# Altium PCB VCU.PcbDoc (part 2 of 2)
Units mm, origin at the board's own origin, x right, y up, seen from the top; angles counter-clockwise.
Board outline 152.4 x 101.6 mm, 4 copper layers (Top Layer, Layer 1, Layer 2, Bottom Layer), stack 0.603 mm thick; 101 components, 108 nets, 442 pads, 150 vias.
Unrouted connection lines stored in the file: 1.
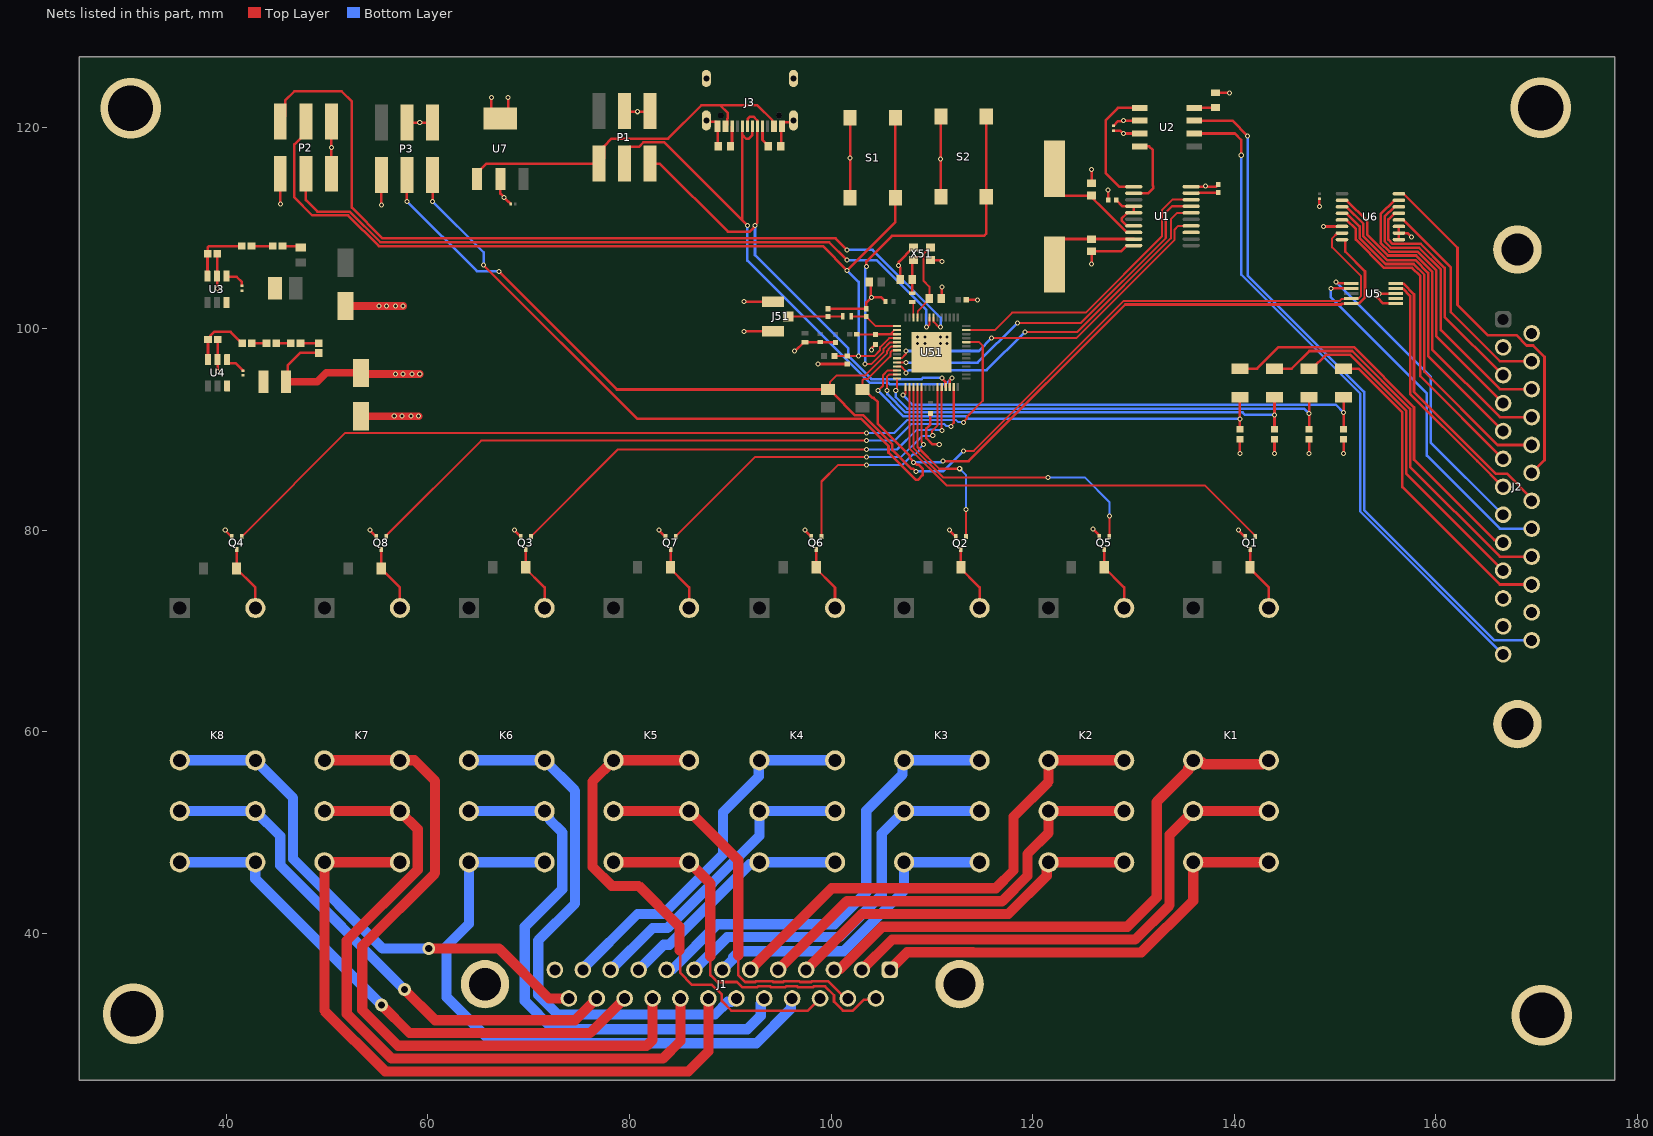
[diagram p4: the nets of this part, all layers, seen from the top]

## Via types
v1: diameter 0.5, hole 0.3, Top Layer to Bottom Layer, 143 vias
v2: diameter 6, hole 4.5, Top Layer to Bottom Layer, 4 vias
v3: diameter 1.27, hole 0.711, Top Layer to Bottom Layer, 3 vias

## Nets (pads, with @x,y where several pads share a name; then routed paths per layer and width w, separated by ;. In a path a pad name is that pad's centre, name@x,y a point inside that pad or via, vN(x,y) a via of type N, cw(c..) or ccw(c..) an arc to the next point about the centre after c; other vN are vias at no path point) (continued)
+5: C3.1 C7.2 J2.14 L1.2 P2.1 P3.1 R1.2 R2.1 R11.1 U1.20 U2.3 U6.1 U6.2 U6.3 | length 34.2
  Top Layer w0.254: v1(45.339,112.395) P2.1@45.339,115.378 ; L1.2@45.888,94.742 46.101,94.955 46.101,96.393 47.308,97.6 R11.1@49.149,97.6 ; C7.2@53.34,95.622 C7.2@53.458,95.504 ; v1(55.372,112.268) P3.1@55.372,115.251 ; R2.1@127.508,112.776 v1(127.508,113.792) ; C3.1@128.016,119.667 128.678,119.667 128.965,119.38 v1(129.032,119.38) U2.3@130.65,119.38 ; U1.20@135.748,114.106 138.213,114.106 138.428,114.321 R1.2@138.43,114.321 ; U6.1@156.368,108.85 U6.2@156.368,109.5 ; U6.3@156.368,110.15 U6.2@156.368,109.5 ; v1(157.607,109.093) 157.218,109.482 156.386,109.482 U6.2@156.368,109.5
  Top Layer w0.762: L1.2@45.888,94.742 49.022,94.742 49.902,95.622 C7.2@53.34,95.622 ; C7.2@53.458,95.504 v1(56.769,95.504) v1(57.531,95.504) v1(59.182,95.504)
  other v1: 58.42,95.504 137.16,114.173
Boot: S2.3 S2.4 U51.5 | length 39.1
  Top Layer w0.203: v1(103.378,96.52) 104.039,96.52 105.218,97.699 105.218,97.936 105.228,97.946 105.228,98.018 105.856,98.646 106.52,98.646 U51.5@106.537,98.663
  Top Layer w0.254: v1(103.505,106.172) 103.505,106.68 106.045,109.22 115.189,109.22 115.407,109.438 S2.3@115.407,113.119 S2.4@115.407,121.069
  Bottom Layer w0.254: v1(103.378,96.52) 103.378,105.978 103.505,106.105 v1(103.505,106.172)
CAN_RX: U1.2 U2.4 | length 7.4
  Top Layer w0.254: U1.2@130.048,113.456 131.49,113.456 131.975,113.941 131.975,114.151 131.953,114.173 131.953,117.729 131.572,118.11 U2.4@130.65,118.11
CAN_TX: U1.1 U2.1 | length 12.5
  Top Layer w0.254: U1.1@130.048,114.106 128.591,114.106 127.254,115.443 127.254,120.691 128.483,121.92 U2.1@130.65,121.92
D+: J3.A6 J3.B6 P1.3 U51.26 | length 58.8
  Top Layer w0.254: P1.3@79.502,116.394 79.502,117.539 80.01,118.047 80.921,118.047 81.365,118.491 83.47,118.491 91.198,110.763 ; J3.B6@91.198,120.091 91.198,119.241 ; v1(91.694,110.267) 91.198,110.763 ; J3.A6@92.198,120.091 92.198,119.249 91.799,118.85 91.589,118.85 91.198,119.241 ; U51.26@111.782,94.218 111.782,94.891 v1(112.014,95.123) ; 91.198,110.763 91.198,119.241
  Bottom Layer w0.254: v1(91.694,110.267) 91.694,106.773 103.848,94.619 105.694,94.619 105.817,94.496 111.387,94.496 v1(112.014,95.123)
D-: J3.A7 J3.B7 P1.5 U51.25 | length 54.2
  Top Layer w0.254: P1.5@82.042,116.394 82.996,116.394 89.754,109.636 91.955,109.636 92.325,110.005 92.325,110.038 92.456,110.169 v1(92.456,110.236) 92.456,110.303 92.698,110.545 J3.B7@92.698,120.091 92.675,120.114 92.675,120.693 92.306,121.062 91.979,121.062 91.721,120.804 91.721,120.114 J3.A7@91.698,120.091 ; v1(110.998,95.127) 111.045,95.08 111.045,95.013 111.365,94.693 111.365,94.235 U51.25@111.382,94.218
  Bottom Layer w0.254: v1(92.456,110.236) 92.456,107.315 101.727,98.044 101.727,97.279 104.006,95 108.993,95 109.12,95.127 v1(110.998,95.127)
EN: C554.1 P2.4 R51.1 S1.3 S1.4 U51.4 | length 99.1
  Top Layer w0.203: R51.1@100.356,97.291 C554.1@101.591,97.291 ; C554.1@101.6,97.301 101.619,97.282 v1(102.743,97.282) 104.298,97.282 104.862,97.846 104.862,98.083 104.873,98.094 104.873,98.165 105.77,99.063 U51.4@106.537,99.063
  Top Layer w0.254: P2.4@47.879,120.588 47.879,119.443 46.736,118.3 46.736,113.03 48.514,111.252 52.07,111.252 55.118,108.204 99.187,108.204 v1(101.6,105.791) 106.39,110.581 S1.3@106.39,112.992 S1.4@106.39,120.942 ; R51.1@100.347,97.282 R51.1@100.356,97.291 ; C554.1@101.591,97.291 C554.1@101.6,97.301
  Bottom Layer w0.254: v1(101.6,105.791) 102.743,104.648 v1(102.743,97.282)
GND: C1.2 C2.2 C3.2 C5.1 C7.1 C8.2 C9.2 C51.2 C52.2 C53.2 C54.2 C55.2 C56.2 C57.2 C58.2 C59.2 C511.2 C552.2 C553.2 C554.2 J1.13 J1.M1 J1.M2 J2.2 J2.11 J2.12 J2.24 J2.M1 J2.M2 J3.A1_B12 J3.B1_A12 J3.S1 J3.S2 J3.S3 J3.S4 J51.2 J51.3 P1.4 P1.6 P2.5 P2.6 P3.4 P3.6 Q1.2 Q2.2 Q3.2 Q4.2 Q5.2 Q6.2 Q7.2 Q8.2 R3.1 R7.1 R12.1 R17.1 R18.1 R19.1 R20.1 R23.1 R24.2 S1.1 S1.2 S2.1 S2.2 U1.10 U2.2 U3.2 U4.2 U5.1 U5.3 U6.14 U7.2 U7.4 U51.57 X51.2 X51.4 | length 123.9
  Top Layer w0.254: R7.1@39.084,107.442 39.07,107.427 39.07,105.231 U3.2@39.055,105.216 39.085,105.185 39.085,104.044 v1(39.116,104.013) ; v1(39.116,95.758) U4.2@39.116,96.931 R12.1@39.116,98.933 ; v1@39.878,79.995 Q4.2@40.521,79.352 ; P2.5@50.419,115.378 P2.6@50.419,120.588 ; v1@54.229,79.995 Q8.2@54.872,79.352 ; P3.4@57.912,120.461 P3.6@60.452,120.461 ; v1(66.294,122.936) 66.294,121.745 U7.4@67.183,120.856 67.945,121.618 v1(67.945,122.936) ; U7.2@67.183,114.856 67.183,113.411 68.01,112.584 68.031,112.584 68.199,112.416 C9.2@68.199,112.395 ; v1@68.58,79.995 Q3.2@69.223,79.352 ; P1.4@79.502,121.604 79.567,121.539 v1(80.772,121.539) 81.977,121.539 P1.6@82.042,121.604 ; v1@82.931,79.995 Q7.2@83.574,79.352 ; J3.S2@87.623,120.671 87.76,120.534 88.575,120.534 88.748,120.361 J3.B1_A12@88.748,120.091 88.77,120.069 88.77,118.132 R24.2@88.793,118.11 ; v1(91.362,99.744) J51.3@94.233,99.744 ; v1(91.362,102.694) J51.2@94.233,102.694 ; R23.1@94.996,118.11 95.072,118.186 95.072,120.015 J3.A1_B12@95.148,120.091 95.148,120.313 95.321,120.486 96.088,120.486 J3.S1@96.273,120.671 ; v1(96.393,97.79) 96.444,97.79 97.297,98.643 C56.2@97.409,98.643 97.427,98.661 98.915,98.661 C55.2@98.933,98.679 98.952,98.66 100.438,98.66 C54.2@100.457,98.641 ; v1@97.409,79.995 Q6.2@98.052,79.352 ; v1(98.729,96.501) C554.2@101.6,96.501 ; C553.2@99.695,101.979 C553.2@99.695,101.979 103.504,101.977 C552.2@103.505,101.976 103.505,102.616 v1(104.013,103.124) ; S1.1@101.89,112.992 S1.2@101.89,120.942 ; C52.2@103.794,104.648 103.966,104.476 103.966,103.171 v1(104.013,103.124) ; v1(104.013,97.888) 104.06,97.935 104.06,98.107 C53.2@104.394,98.441 ; C51.2@105.421,102.694 105.421,102.744 105.348,102.817 105.298,102.817 104.991,103.124 v1(104.013,103.124) ; C59.2@106.877,104.902 106.877,106.035 106.68,106.232 v1(106.68,106.299) 106.727,106.346 106.727,106.629 108.155,108.057 X51.4@108.205,108.057 ; C511.2@109.855,91.575 109.855,90.485 109.468,90.098 109.468,89.131 110.08,88.519 v1(110.744,88.519) ; X51.2@109.855,106.807 110.871,106.807 v1(110.998,106.68) ; S2.1@110.907,113.119 110.871,113.155 110.871,121.033 S2.2@110.907,121.069 ; C58.2@110.963,102.997 110.98,103.015 110.98,104.122 v1(110.998,104.14) ; v1@111.76,79.995 Q2.2@112.403,79.352 ; C57.2@113.43,102.87 v1(114.554,102.87) ; v1(125.857,106.426) C1.2@125.857,107.696 128.813,107.696 129.373,108.256 U1.10@130.048,108.256 ; C2.2@125.857,114.427 v1(125.857,115.824) ; v1(125.984,80.137) 125.984,80.106 126.627,79.463 Q5.2@126.627,79.387 ; C3.2@128.016,120.142 128.037,120.142 128.498,120.603 128.985,120.603 v1(129.032,120.65) U2.2@130.65,120.65 ; R3.1@138.176,123.407 v1(139.573,123.407) ; v1@140.462,79.995 Q1.2@141.105,79.352 ; v1(140.589,87.63) R17.1@140.589,89.027 ; v1(144.018,87.63) R18.1@144.018,89.027 ; v1(147.447,87.63) R19.1@147.447,89.027 ; v1(148.463,112.141) C8.2@148.463,112.919 ; v1(148.885,110.15) U6.14@150.718,110.15 ; v1(150.876,87.63) R20.1@150.876,89.027 ; U5.1@156.038,102.497 156.015,102.52 154.782,102.52 154.22,103.082 154.22,103.293 v1(154.401,103.474) 156.015,103.474 U5.3@156.038,103.497
  Top Layer w0.762: C5.1@51.816,102.253 v1(55.127,102.253) v1(55.889,102.253) v1(57.54,102.253) ; C7.1@53.34,91.322 v1(56.651,91.322) v1(57.413,91.322) v1(59.064,91.322)
  other v1: 39.878,80.025 54.229,80.025 68.58,80.025 82.931,80.025 97.409,80.025 111.76,80.025 140.462,80.025 58.302,91.322 108.585,98.552 109.347,98.552 110.871,98.552 111.506,98.552 108.585,99.187 109.347,99.187 110.871,99.187 111.506,99.187 56.778,102.253 67.564,113.03 110.871,116.84 101.89,116.967 50.419,117.983 59.182,120.461
  other v2: 170.561,31.877 30.734,32.004 30.48,121.873 170.434,121.92
K1: Q1.1 U51.16 | length 44.1
  Top Layer w0.203: U51.16@107.782,94.218 107.782,88.134 111.461,84.455 137.113,84.455 142.105,79.463 Q1.1@142.105,79.387
K2: Q5.1 U51.17 | length 31.1
  Top Layer w0.203: U51.17@108.182,94.218 108.182,88.201 111.166,85.217 v1(121.539,85.217) ; Q5.1@127.631,79.391 v1@127.631,81.432
  Top Layer w0.254: Q5.1@127.627,79.387 Q5.1@127.631,79.391 ; v1@127.631,81.432 v1(127.635,81.436)
  Bottom Layer w0.203: v1(121.539,85.217) 125.222,85.217 127.635,82.804 v1(127.635,81.436)
K3: Q2.1 U51.18 | length 18
  Top Layer w0.203: U51.18@108.582,94.218 108.582,88.268 110.744,86.106 v1(112.776,86.106) ; Q2.1@113.403,79.383 v1@113.403,82.034
  Top Layer w0.254: Q2.1@113.395,79.375 Q2.1@113.403,79.383 ; v1@113.403,82.034 v1(113.411,82.042)
  Bottom Layer w0.203: v1(112.776,86.106) 113.411,85.471 v1(113.411,82.042)
K4: Q6.1 U51.19 | length 23
  Top Layer w0.203: Q6.1@99.052,79.387 99.06,79.396 99.06,84.836 100.711,86.487 v1(103.505,86.487) ; U51.19@108.982,94.218 108.982,88.786 109.188,88.581 v1(109.188,88.519)
  Bottom Layer w0.203: v1(103.505,86.487) 107.094,86.487 108.137,87.53 108.358,87.53 108.744,87.916 108.744,88.076 v1(109.188,88.519)
K5: Q7.1 U51.23 | length 34.8
  Top Layer w0.203: Q7.1@84.574,79.387 84.574,79.463 84.625,79.514 84.701,79.514 92.435,87.249 v1(103.534,87.249) ; v1(110.099,89.393) 110.042,89.45 110.042,89.888 110.039,89.891 110.582,90.435 U51.23@110.582,94.218
  Bottom Layer w0.203: v1(103.534,87.249) 106.931,87.249 109.039,89.357 110.063,89.357 v1(110.099,89.393)
K6: Q3.1 U51.24 | length 49.6
  Top Layer w0.203: Q3.1@70.223,79.387 70.223,79.463 70.274,79.514 70.35,79.514 78.846,88.011 v1(103.505,88.011) ; U51.24@110.982,94.218 110.982,89.932 v1(110.998,89.916)
  Bottom Layer w0.203: v1(103.505,88.011) 106.553,88.011 108.505,89.963 109.812,89.963 109.848,89.998 110.349,89.998 110.385,89.963 110.951,89.963 v1(110.998,89.916)
K7: Q8.1 U51.27 | length 64.7
  Top Layer w0.203: Q8.1@55.88,79.502 65.278,88.9 v1(103.505,88.9) ; v1(111.887,90.297) 111.887,90.377 112.182,90.672 U51.27@112.182,94.218
  Bottom Layer w0.203: v1(103.505,88.9) 106.299,88.9 107.95,90.551 111.219,90.551 111.417,90.354 111.83,90.354 v1(111.887,90.297)
K8: Q4.1 U51.38 | length 86.8
  Top Layer w0.203: Q4.1@41.521,79.387 41.521,79.463 41.572,79.514 41.648,79.514 51.795,89.662 v1(103.505,89.662) ; v1(113.157,90.682) 113.157,90.762 113.494,91.099 113.494,91.273 115.062,92.841 115.062,98.298 114.697,98.663 U51.38@113.427,98.663
  Bottom Layer w0.203: v1(103.505,89.662) 106.299,89.662 107.594,90.957 112.392,90.957 112.61,90.739 113.1,90.739 v1(113.157,90.682)
Net1_1: 1.1 C4.2 U3.6
NetC1_1: C1.1 U1.9 Y1.1 | length 9.9
  Top Layer w0.254: Y1.1@122.174,106.375 122.174,107.983 123.097,108.906 125.73,108.906 U1.9@130.048,108.906
NetC2_1: C2.1 U1.8 Y1.2 | length 11.5
  Top Layer w0.254: Y1.2@122.174,115.875 122.174,114.125 123.097,113.202 125.727,113.202 127.212,111.716 129.373,109.556 U1.8@130.048,109.556
NetC4_1: C4.1 U3.1 | length 2.1
  Top Layer w0.254: U3.1@40.005,105.216 40.065,105.156 41.021,105.156 41.529,104.648 C4.1@41.529,104.267
NetC6_1: C6.1 U4.1 | length 2.2
  Top Layer w0.254: U4.1@40.066,96.931 40.066,96.732 40.239,96.559 40.928,96.559 41.635,95.852 C6.1@41.656,95.852
NetC6_2: C6.2 L1.1 U4.6
NetC53_1: C53.1 L51.1 U51.2 U51.3 | length 4.8
  Top Layer w0.203: L51.1@102.563,99.441 C53.1@104.394,99.441 104.405,99.452 105.865,99.452 ; U51.3@106.537,99.463 106.526,99.452 105.865,99.452 ; U51.2@106.537,99.863 106.276,99.863 105.865,99.452
NetC58_1: C58.1 U51.53 X51.3 | length 8
  Top Layer w0.127: U51.53@108.585,101.111 108.585,101.744 C58.1@109.763,102.922
  Top Layer w0.203: U51.53@108.582,101.108 U51.53@108.585,101.111 ; C58.1@109.763,102.922 C58.1@109.763,102.997 109.763,104.175 109.176,104.762 109.176,107.428 109.805,108.057 X51.3@109.855,108.057
NetC59_1: C59.1 L52.1 X51.1 | length 3.4
  Top Layer w0.254: L52.1@108.077,103.505 C59.1@108.077,104.902 108.077,106.679 X51.1@108.205,106.807
NetC552_1: C552.1 L53.2 U51.1 | length 4.9
  Top Layer w0.203: L53.2@102.025,101.219 C552.1@103.505,101.219 103.505,101.198 104.44,100.263 U51.1@106.537,100.263
NetC553_1: C553.1 J51.1 L53.1 | length 5.4
  Top Layer w0.203: J51.1@95.758,101.219 95.76,101.221 C553.1@99.695,101.221 99.696,101.22 101.174,101.22 L53.1@101.175,101.219
NetJ1_1: J1.1 K1.14 | length 44.3
  Top Layer w1.016: J1.1@105.834,36.368 107.576,38.11 114.074,38.11 114.084,38.1 130.81,38.1 135.95,43.24 K1.14@135.95,47.045 K1.14@143.45,47.045
NetJ1_2: J1.2 K1.11 | length 51
  Top Layer w1.016: J1.2@103.064,36.368 106.076,39.38 114.6,39.38 114.61,39.37 130.175,39.37 133.604,42.799 133.604,49.779 K1.11@135.95,52.125 K1.11@143.45,52.125
NetJ1_3: J1.3 K1.12 | length 57.9
  Top Layer w1.016: J1.3@100.294,36.368 100.415,36.489 100.916,36.489 105.076,40.65 115.126,40.65 115.136,40.64 129.405,40.64 132.326,43.561 132.326,53.041 135.458,56.173 135.458,56.407 135.95,56.899 K1.12@135.95,57.165 136.138,56.977 136.834,56.977 137.027,56.784 142.803,56.784 143.184,57.165 K1.12@143.45,57.165
NetJ1_4: J1.4 K2.14 | length 36.7
  Top Layer w1.016: J1.4@97.524,36.368 103.076,41.92 117.612,41.92 121.411,45.719 121.411,46.857 K2.14@121.599,47.045 K2.14@129.099,47.045
NetJ1_5: J1.5 K2.11 | length 43.4
  Top Layer w1.016: J1.5@94.754,36.368 101.576,43.19 116.977,43.19 119.507,45.72 119.507,47.879 121.599,49.971 K2.11@121.599,52.125 K2.11@129.099,52.125
NetJ1_6: J1.6 K2.12 | length 50.1
  Top Layer w1.016: J1.6@91.984,36.368 100.076,44.46 116.342,44.46 118.11,46.228 118.11,51.562 121.599,55.051 K2.12@121.599,57.165 K2.12@129.099,57.165
NetJ1_7: J1.7 K3.14 | length 31.7
  Bottom Layer w1.016: J1.7@89.214,36.368 90.297,37.451 90.297,37.632 90.892,38.227 101.237,38.227 107.248,44.238 K3.14@107.248,47.045 K3.14@114.748,47.045
NetJ1_8: J1.8 K3.11 | length 38.4
  Bottom Layer w1.016: J1.8@86.444,36.368 89.7,39.624 100.838,39.624 105.029,43.815 105.029,49.906 K3.11@107.248,52.125 K3.11@114.748,52.125
NetJ1_9: J1.9 K3.12 | length 45.2
  Bottom Layer w1.016: J1.9@83.674,36.368 83.795,36.489 84.321,36.489 88.726,40.894 100.312,40.894 103.491,44.073 103.491,52.152 107.107,55.769 107.107,57.024 K3.12@107.248,57.165 K3.12@114.748,57.165
NetJ1_10: J1.10 K4.14 | length 24.3
  Bottom Layer w1.016: J1.10@80.904,36.368 83.398,38.862 83.947,38.862 91.942,46.857 92.709,46.857 K4.14@92.897,47.045 100.021,47.045 100.33,46.736 100.397,46.803 K4.14@100.397,47.045
NetJ1_11: J1.11 K4.11 | length 30.2
  Bottom Layer w1.016: J1.11@78.134,36.368 82.279,40.513 83.741,40.513 92.897,49.669 K4.11@92.897,52.125 K4.11@100.397,52.125
NetJ1_12: J1.12 K4.12 | length 36.9
  Bottom Layer w1.016: J1.12@75.341,36.462 80.79,41.91 83.342,41.91 89.281,47.849 89.281,52.001 92.839,55.559 K4.12@92.839,57.107 ; K4.12@92.897,57.165 K4.12@100.397,57.165
NetJ1_14: J1.14 K5.14 | length 38.5
  Top Layer w0.254: 88.014,37.722 88.011,37.719 88.011,36.453 ccw(c89.214,36.368) 88.011,36.283 88.011,35.865 88.085,35.791 88.714,35.162 90.671,35.162 91.179,34.654 92.694,34.654 92.774,34.734 93.964,34.734 94.044,34.654 95.464,34.654 95.544,34.734 96.639,34.734 96.719,34.654 98.234,34.654 98.314,34.734 99.409,34.734 100.294,33.849 100.294,33.207 101.179,32.322 102.179,32.322 103.243,33.386 104.307,33.386 J1.14@104.449,33.528
  Top Layer w1.016: K5.14@78.419,47.045 K5.14@85.919,47.045 87.716,45.248 88.014,44.95 88.014,37.722
NetJ1_15: J1.15 K5.11 | length 37.9
  Top Layer w0.254: 90.805,37.846 90.778,37.819 90.778,35.868 91.484,35.162 92.484,35.162 92.564,35.242 94.174,35.242 94.254,35.162 95.254,35.162 95.334,35.242 96.849,35.242 96.929,35.162 98.024,35.162 98.104,35.242 99.714,35.242 101.428,33.528 J1.15@101.679,33.528
  Top Layer w1.016: K5.11@78.419,52.125 K5.11@85.919,52.125 90.805,47.239 90.805,37.846 90.805,37.819
NetJ1_16: J1.16 K5.12 | length 50.9
  Top Layer w0.254: 85.02,38.284 85.02,36.086 86.22,34.886 88.176,34.886 89.158,33.904 89.158,33.263 90.099,32.322 97.703,32.322 J1.16@98.909,33.528
  Top Layer w1.016: 84.963,38.284 84.963,40.64 80.899,44.704 78.232,44.704 76.327,46.609 76.327,55.073 K5.12@78.419,57.165 K5.12@85.919,57.165
NetJ1_17: J1.17 K6.14 | length 60.4
  Bottom Layer w1.016: K6.14@71.568,47.045 K6.14@64.068,47.045 64.068,40.954 61.849,38.735 61.849,33.655 66.421,29.083 92.605,29.083 96.018,32.496 96.018,33.407 J1.17@96.139,33.528
NetJ1_18: J1.18 K6.11 | length 55.6
  Bottom Layer w1.016: K6.11@64.068,52.125 K6.11@71.568,52.125 71.568,51.859 72.06,51.367 72.06,51.28 73.33,50.01 73.33,44.374 69.596,40.64 69.596,33.292 72.408,30.48 91.694,30.48 93.016,31.802 93.016,33.003 93.369,33.356 J1.18@93.369,33.528
NetJ1_19: J1.19 K6.12 | length 54.7
  Bottom Layer w1.016: K6.12@64.068,57.165 K6.12@71.568,57.165 74.6,54.133 74.6,42.95 70.94,39.29 70.94,33.887 72.886,31.941 88.486,31.941 89.756,33.211 90.11,33.211 90.427,33.528 J1.19@90.599,33.528
NetJ1_20: J1.20 K7.14 | length 68.9
  Top Layer w1.016: K7.14@57.217,47.045 K7.14@49.717,47.045 49.717,32.325 55.753,26.289 85.852,26.289 87.829,28.266 J1.20@87.829,33.528
NetJ1_21: J1.21 K7.11 | length 71.2
  Top Layer w1.016: K7.11@49.717,52.125 K7.11@57.217,52.125 57.217,52.08 58.979,50.318 58.979,46.315 51.943,39.279 51.943,32.004 56.388,27.559 83.312,27.559 85.059,29.306 J1.21@85.059,33.528
NetJ1_22: J1.22 K7.12 | length 72.2
  Top Layer w1.016: K7.12@49.717,57.165 K7.12@57.217,57.165 58.659,57.165 60.706,55.118 60.706,45.974 53.467,38.735 53.467,32.385 57.023,28.829 81.694,28.829 82.289,29.424 J1.22@82.289,33.528
NetJ1_23: J1.23 K8.14 | length 53.6
  Top Layer w1.016: v3(55.372,32.893) 58.166,30.099 76.09,30.099 J1.23@79.519,33.528
  Bottom Layer w1.016: K8.14@35.366,47.045 K8.14@42.866,47.045 42.866,45.399 v3(55.372,32.893)
NetJ1_24: J1.24 K8.11 | length 52.6
  Top Layer w1.016: v3(57.658,34.417) 60.706,31.369 74.59,31.369 J1.24@76.749,33.528
  Bottom Layer w1.016: K8.11@35.366,52.125 K8.11@42.866,52.125 45.339,49.652 45.339,46.736 v3(57.658,34.417)
NetJ1_25: J1.25 K8.12 | length 51.9
  Top Layer w1.016: v3(60.071,38.481) 67.056,38.481 72.009,33.528 J1.25@73.979,33.528
  Bottom Layer w1.016: K8.12@35.366,57.165 K8.12@42.866,57.165 46.609,53.422 46.609,47.371 55.499,38.481 v3(60.071,38.481)
NetJ2_3: J2.3 U6.5 | length 23.1
  Top Layer w0.254: U6.5@156.368,111.45 155.918,111.45 155.321,110.853 155.321,108.84 155.74,108.421 158.533,108.421 160.909,106.045 160.909,101.185 J2.3@166.705,95.389
NetJ2_4: J2.4 U6.7 | length 27.8
  Top Layer w0.254: U6.7@156.368,112.75 155.918,112.75 154.559,111.391 154.559,108.525 155.425,107.659 158.217,107.659 160.053,105.824 160.053,99.271 J2.4@166.705,92.619
NetJ2_5: J2.5 U6.11 | length 30.8
  Top Layer w0.254: U6.11@150.718,112.1 151.168,112.1 152.846,110.422 152.846,109.16 155.199,106.807 157.992,106.807 159.26,105.539 159.26,97.294 J2.5@166.705,89.849
NetJ2_6: J2.6 U6.13 | length 32.2
  Top Layer w0.254: U6.13@150.718,110.8 151.168,110.8 152.084,109.884 152.084,108.845 154.883,106.045 157.676,106.045 158.498,105.223 158.498,95.286 J2.6@166.705,87.079
NetJ2_7: J2.7 U5.4 | length 24.5
  Top Layer w0.254: U5.4@156.038,103.997 156.613,103.997 156.636,103.974 156.766,103.974 157.48,103.26 157.48,93.534 164.138,86.876 J2.7@166.705,84.309
NetJ2_8: J2.8 U5.6 | length 31.6
  Top Layer w0.254: v1(150.114,104.648) 150.181,104.648 150.332,104.497 U5.6@151.638,104.497
  Bottom Layer w0.254: v1(150.114,104.648) 159.512,95.25 159.512,88.732 J2.8@166.705,81.539
NetJ2_9: J2.9 R13.1 | length 38.1
  Top Layer w0.254: R13.1@140.589,96.042 142.299,96.042 144.428,98.171 151.892,98.171 157.861,92.202 157.861,87.017 165.842,79.036 166.438,79.036 J2.9@166.705,78.769
NetJ2_10: J2.10 R15.1 | length 32.4
  Top Layer w0.254: R15.1@147.447,96.042 147.749,96.042 149.116,97.409 151.542,97.409 157.099,91.852 157.099,85.605 J2.10@166.705,75.999
NetJ2_13: J2.13 U2.6 | length 66.8
  Top Layer w0.254: U2.6@136.05,119.38 140.081,119.38 140.716,118.745 v1(140.716,117.221)
  Bottom Layer w0.254: v1(140.716,117.221) 140.716,105.379 152.527,93.568 152.527,81.867 J2.13@166.705,67.689
NetJ2_15: J2.15 U6.4 | length 21.6
  Top Layer w0.254: U6.4@156.368,110.8 156.818,110.8 161.521,106.097 161.521,101.638 166.384,96.774 J2.15@169.545,96.774
NetJ2_16: J2.16 U6.6 | length 28.5
  Top Layer w0.254: U6.6@156.368,112.1 155.918,112.1 154.94,111.122 154.94,108.682 155.582,108.04 158.375,108.04 160.528,105.887 160.528,99.86 166.384,94.004 J2.16@169.545,94.004
NetJ2_17: J2.17 U6.10 | length 33.1
  Top Layer w0.254: U6.10@150.718,112.75 151.168,112.75 153.227,110.691 153.227,109.318 155.276,107.269 158.069,107.269 159.672,105.666 159.672,97.947 166.384,91.234 J2.17@169.545,91.234
NetJ2_18: J2.18 U6.12 | length 34.7
  Top Layer w0.254: U6.12@150.718,111.45 151.168,111.45 152.465,110.153 152.465,109.003 155.041,106.426 157.834,106.426 158.879,105.381 158.879,95.756 166.171,88.464 J2.18@169.545,88.464
NetJ2_19: J2.19 U6.8 | length 37
  Top Layer w0.254: U6.8@155.918,113.4 U6.8@156.368,113.4 156.818,113.4 162.179,108.039 162.179,102.362 165.176,99.365 168.018,99.365 169.045,98.338 169.687,98.338 170.815,97.21 170.815,86.964 J2.19@169.545,85.694
NetJ2_20: J2.20 U5.5 | length 28.3
  Top Layer w0.254: U5.5@156.038,104.497 156.314,104.497 156.337,104.474 156.805,104.474 157.861,103.418 157.861,93.726 165.989,85.598 167.122,85.598 169.545,83.175 J2.20@169.545,82.924
NetJ2_21: J2.21 U5.7 | length 36
  Top Layer w0.254: v1(149.606,104.013) 149.614,104.005 151.63,104.005 U5.7@151.638,103.997
  Bottom Layer w0.254: v1(149.606,104.013) 149.606,103.109 159.131,93.584 159.131,87.407 166.384,80.154 J2.21@169.545,80.154
NetJ2_22: J2.22 R14.1 | length 38.1
  Top Layer w0.254: R14.1@144.018,96.042 145.728,96.042 147.476,97.79 151.734,97.79 157.48,92.044 157.48,86.288 166.384,77.384 J2.22@169.545,77.384
NetJ2_23: J2.23 R16.1 | length 31.9
  Top Layer w0.254: R16.1@150.876,96.042 152.37,96.042 156.718,91.694 156.718,84.28 166.384,74.614 J2.23@169.545,74.614
NetJ2_25: J2.25 U2.7 | length 69.8
  Top Layer w0.254: U2.7@136.05,120.65 139.827,120.65 v1(141.351,119.126)
  Bottom Layer w0.254: v1(141.351,119.126) 141.351,105.283 152.908,93.726 152.908,82.025 165.859,69.074 J2.25@169.545,69.074
NetJ3_A5: J3.A5 R23.2 | length 2.2
  Top Layer w0.254: J3.A5@93.198,120.091 93.198,118.741 93.765,118.174 R23.2@93.765,118.11
NetJ3_B5: J3.B5 R24.1 | length 2.1
  Top Layer w0.254: R24.1@90.023,118.11 90.175,118.262 90.175,120.068 J3.B5@90.198,120.091
NetL52_2: L52.2 U51.54 | length 1.6
  Top Layer w0.127: U51.54@108.182,101.108 L52.2@108.182,102.607
  Top Layer w0.254: L52.2@108.077,102.655 108.134,102.655 L52.2@108.182,102.607
NetR1_1: R1.1 U1.19 | length 2.7
  Top Layer w0.254: U1.19@135.748,113.456 136.449,113.456 136.51,113.517 R1.1@138.43,113.517
NetR2_2: R2.2 U1.4 U1.5 U1.7 | length 5.7
  Top Layer w0.254: R2.2@128.312,112.776 128.312,112.774 128.93,112.156 U1.4@130.048,112.156 U1.5@130.048,111.506 129.399,111.506 129.325,111.432 129.325,111.415 128.85,110.94 128.85,110.729 129.373,110.206 U1.7@130.048,110.206
NetR3_2: R3.2 U2.8 | length 2.1
  Top Layer w0.254: U2.8@136.05,121.92 136.068,121.938 138.157,121.938 R3.2@138.176,121.957
NetR4_1: R4.1 R5.2 | length 2.1
  Top Layer w0.254: R4.1@42.481,108.204 R5.2@44.609,108.204
NetR4_2: R4.2 R7.2 U3.3 | length 6.3
  Top Layer w0.254: U3.3@38.105,105.216 38.118,105.229 38.118,107.429 R7.2@38.132,107.442 38.132,108.055 38.281,108.204 R4.2@41.529,108.204
NetR5_1: R5.1 R6.1 | length 1.9
  Top Layer w0.254: R5.1@45.561,108.204 47.244,108.204 R6.1@47.371,108.077
NetR8_1: R8.1 R9.2 | length 1.5
  Top Layer w0.254: R8.1@42.513,98.552 R9.2@43.974,98.552
NetR8_2: R8.2 R12.2 U4.3 | length 6.3
  Top Layer w0.254: U4.3@38.166,96.931 38.165,96.932 R12.2@38.164,98.933 R12.2@38.164,98.933 38.185,98.933 38.416,99.164 38.416,99.33 38.781,99.695 40.396,99.695 41.539,98.552 R8.2@41.561,98.552
NetR9_1: R9.1 R10.2 | length 1.5
  Top Layer w0.254: R9.1@44.926,98.552 R10.2@46.387,98.552
NetR10_1: R10.1 R11.2 | length 1.8
  Top Layer w0.254: R10.1@47.339,98.552 R11.2@49.149,98.552
NetR13_2: R13.2 R17.2 U51.12 | length 43.6
  Top Layer w0.203: v1(104.648,93.853) 105.156,94.361 105.156,95.377 105.642,95.863 U51.12@106.537,95.863
  Top Layer w0.254: R17.2@140.589,90.031 140.589,91.567 R13.2@140.589,93.188
  Bottom Layer w0.254: v1(104.648,93.853) 107.188,91.313 113.418,91.313 113.668,91.063 v1(140.589,91.063)
NetR14_2: R14.2 R18.2 U51.13 | length 45.3
  Top Layer w0.203: v1(105.552,93.868) 105.552,95.235 105.781,95.463 U51.13@106.537,95.463
  Top Layer w0.254: R18.2@144.018,90.031 144.018,91.567 R14.2@144.018,93.188
  Bottom Layer w0.254: v1(105.552,93.868) 105.587,93.834 105.587,93.518 107.411,91.694 140.85,91.694 141.1,91.444 v1(144.018,91.444)
NetR15_2: R15.2 R19.2 U51.14 | length 46.8
  Top Layer w0.203: v1(106.426,93.853) 106.537,93.964 U51.14@106.537,95.063
  Top Layer w0.254: R19.2@147.447,90.031 v1(147.447,91.567) R15.2@147.447,93.188
  Bottom Layer w0.254: v1(106.426,93.853) 106.426,93.218 107.569,92.075 146.939,92.075 v1(147.447,91.567)
NetR16_2: R16.2 R20.2 U51.15 | length 48.3
  Top Layer w0.203: 107.382,93.508 U51.15@107.382,94.218
  Top Layer w0.254: R20.2@150.876,90.031 v1(150.876,91.694) R16.2@150.876,93.188
  Bottom Layer w0.254: v1(107.126,93.41) 108.08,92.456 150.114,92.456 v1(150.876,91.694)
NetU1_13: U1.13
NetU1_14: U1.14 U51.9 | length 35.4
  Top Layer w0.203: U51.9@106.537,97.063 106.554,97.08 107.012,97.08 107.442,97.51 107.442,97.786 v1(107.446,97.79) ; v1@115.955,99.064 124.337,99.064 134.112,108.839 134.112,109.855 134.463,110.206 U1.14@135.748,110.206
  Bottom Layer w0.254: v1(107.446,97.79) 114.681,97.79 v1(115.951,99.06)
NetU1_16: U1.16 U51.11 | length 37.3
  Top Layer w0.203: U51.11@106.537,96.263 106.545,96.255 106.968,96.255 107.385,95.837 107.385,95.688 v1(107.442,95.631) ; v1(119.253,99.695) 124.46,99.695 133.731,108.966 133.731,110.871 134.366,111.506 U1.16@135.748,111.506
  Bottom Layer w0.254: v1(107.442,95.631) 107.46,95.631 107.714,95.885 115.443,95.885 v1(119.253,99.695)
NetU1_17: U1.17 U51.10 | length 37.1
  Top Layer w0.203: U51.10@106.537,96.663 106.545,96.655 107.434,96.655 v1(107.442,96.647) ; v1(118.491,100.584) 124.81,100.584 133.223,108.997 133.223,111.537 133.842,112.156 U1.17@135.748,112.156
  Bottom Layer w0.254: v1(107.442,96.647) 114.554,96.647 v1(118.491,100.584)
NetU1_18: U1.18 U51.41 | length 29.2
  Top Layer w0.203: U51.41@113.427,99.863 116.246,99.863 117.983,101.6 125.287,101.6 132.842,109.155 132.842,111.76 133.888,112.806 U1.18@135.748,112.806
NetU5_2: U5.2
Q1: D1.2 K1.A2 Q1.3 | length 6.5
  Top Layer w0.254: D1.2@141.516,76.251 143.45,74.317 K1.A2@143.45,72.285 ; D1.2@141.592,76.327 141.605,76.34 Q1.3@141.605,78.092
Q2: D2.2 K2.A2 Q5.3 | length 6.9
  Top Layer w0.254: D2.2@126.987,76.581 126.987,76.429 129.099,74.317 K2.A2@129.099,72.285 ; D2.2@127.127,76.34 Q5.3@127.127,78.092
Q3: D3.2 K3.A2 Q2.3 | length 6.9
  Top Layer w0.254: D3.2@112.636,76.581 112.636,76.429 114.748,74.317 K3.A2@114.748,72.285 ; D3.2@112.895,76.327 Q2.3@112.895,78.08
Q4: D4.2 K4.A2 Q6.3 | length 6.9
  Top Layer w0.254: D4.2@98.285,76.581 98.285,76.429 100.397,74.317 K4.A2@100.397,72.285 ; D4.2@98.552,76.34 Q6.3@98.552,78.092
Q5: D5.2 K5.A2 Q7.3 | length 6.9
  Top Layer w0.254: D5.2@83.807,76.581 83.807,76.429 85.919,74.317 K5.A2@85.919,72.285 ; D5.2@84.074,76.34 Q7.3@84.074,78.092
Q6: D6.2 K6.A2 Q3.3 | length 6.9
  Top Layer w0.254: D6.2@69.456,76.581 69.456,76.429 71.568,74.317 K6.A2@71.568,72.285 ; D6.2@69.723,76.34 Q3.3@69.723,78.092
Q7: D7.2 K7.A2 Q8.3 | length 6.7
  Top Layer w0.254: D7.2@55.232,76.454 55.232,76.302 57.217,74.317 K7.A2@57.217,72.285 ; D7.2@55.372,76.34 Q8.3@55.372,78.092
Q8: D8.2 K8.A2 Q4.3 | length 6.9
  Top Layer w0.254: D8.2@40.754,76.581 40.754,76.429 42.866,74.317 K8.A2@42.866,72.285 ; D8.2@41.021,76.34 Q4.3@41.021,78.092
RX: P2.3 U51.50 | length 71.5
  Top Layer w0.203: v1(109.474,100.167) 109.526,100.167 109.782,100.423 U51.50@109.782,101.108
  Top Layer w0.254: P2.3@47.879,115.378 47.879,112.776 49.022,111.633 52.228,111.633 55.276,108.585 99.822,108.585 v1(101.6,106.807)
  Bottom Layer w0.254: v1(101.6,106.807) 104.521,106.807 109.474,101.854 v1(109.474,100.167)
SCL: P3.5 R22.1 U5.10 U6.16 U51.7 | length 139.5
  Top Layer w0.203: R22.1@103.124,93.968 103.124,94.873 103.273,95.021 103.645,95.021 105.878,97.255 105.878,97.288 105.903,97.314 105.903,97.652 106.106,97.855 106.529,97.855 U51.7@106.537,97.863
  Top Layer w0.254: v1(60.452,112.649) P3.5@60.452,115.251 ; v1(65.532,106.344) 65.532,106.299 80.781,91.05 103.009,91.05 105.708,88.352 105.708,87.713 107.827,85.594 107.827,85.591 108.413,85.005 108.627,85.005 109.089,85.467 109.089,86.113 108.719,86.483 108.529,86.483 108.271,86.741 v1(108.204,86.741) 108.204,86.808 107.795,87.217 107.795,87.404 104.648,90.551 104.648,92.71 104.22,93.138 104.106,93.138 103.276,93.968 R22.1@103.124,93.968 ; v1(111.125,86.868) 113.665,86.868 129.202,102.405 150.639,102.405 150.708,102.474 151.615,102.474 151.661,102.52 152.405,102.52 152.998,103.113 152.998,105.701 151.041,107.658 151.041,108.806 150.997,108.85 U6.16@150.718,108.85
  Bottom Layer w0.254: v1(60.452,112.649) 65.532,107.569 v1(65.532,106.344) ; v1(108.204,86.741) 110.931,86.741 111.058,86.868 v1(111.125,86.868)
SDA: P3.3 R21.1 U5.9 U6.15 U51.6 | length 133.1
  Top Layer w0.203: R21.1@99.615,94.048 99.89,94.324 99.89,94.683 100.584,95.377 103.399,95.377 105.573,97.552 105.573,97.788 105.688,97.903 105.688,97.975 105.968,98.255 106.529,98.255 U51.6@106.537,98.263 ; v1(113.157,87.884) 114.173,87.884 129.049,102.76 150.492,102.76 150.68,102.949 151.59,102.949 151.661,103.02 152.366,103.02 152.617,103.271 152.617,105.193 149.733,108.077 149.733,108.965 150.268,109.5 U6.15@150.718,109.5
  Top Layer w0.254: v1(57.912,112.649) P3.3@57.912,115.251 ; v1(67.058,105.666) 78.755,93.968 99.615,93.968 99.847,93.968 101.293,92.522 101.293,92.475 102.338,91.431 103.167,91.431 106.089,88.51 106.089,87.964 107.943,86.11 108.133,86.11 108.391,85.852 v1(108.458,85.852)
  Bottom Layer w0.254: v1(57.912,112.649) 64.848,105.713 67.011,105.713 v1(67.058,105.666) ; v1(108.458,85.852) 111.125,85.852 v1(113.157,87.884)
TX: P2.2 U51.49 | length 85.4
  Top Layer w0.203: U51.49@110.182,101.108 110.19,101.1 110.19,100.677 110.644,100.224 110.814,100.224 v1(110.871,100.167)
  Top Layer w0.254: P2.2@45.339,120.588 45.825,121.074 45.825,122.66 46.736,123.571 51.435,123.571 52.451,122.555 52.451,112.014 55.499,108.966 100.457,108.966 v1(101.6,107.823)
  Bottom Layer w0.254: v1(101.6,107.823) 104.14,107.823 110.871,101.092 v1(110.871,100.167)
VBUS: J3.A4_B9 J3.B4_A9 P1.1 U7.1 | length 37.1
  Top Layer w0.254: U7.1@64.883,114.856 64.883,115.456 65.821,116.394 P1.1@76.962,116.394 77.47,116.902 77.47,118.11 78.232,118.872 83.82,118.872 87.122,122.174 89.008,122.174 ; J3.B4_A9@89.548,120.091 89.721,120.264 89.721,120.861 89.739,120.879 89.739,121.443 89.008,122.174 ; J3.A4_B9@94.348,120.091 94.175,120.264 94.175,120.693 92.694,122.174 89.008,122.174
pads on no net: J3. J3.A8 J3.B8 U1.3 U1.6 U1.11 U1.12 U1.15 U2.5 U51.8 U51.21 U51.22 U51.28 U51.30 U51.31 U51.32 U51.33 U51.34 U51.35 U51.36 U51.37 U51.39 U51.40 U51.42 U51.43 U51.44 U51.45 U51.47 U51.48 U51.51 U51.52

## Polygon pours and split planes (outlines as drawn)
12V on Top Layer "12V_L01_P007" (solid, remove dead copper, pour order 7): 25.175,127.155 25.429,126.901 178.083,126.901 178.083,24.793 177.956,24.92 25.556,24.92
Net1_1 on Top Layer "NET1_1_L01_P000" (solid, pour order 0): 45.974,105.664 43.815,105.664 42.164,104.013 40.767,104.013 40.132,103.378 39.497,103.378 39.497,101.473 45.974,101.473
NetC6_2 on Top Layer "NETC6_2_L01_P001" (solid, pour order 1): 44.831,92.837 39.624,92.837 39.624,95.377 39.878,95.631 42.291,95.631 43.053,96.393 44.831,96.393
GND on Layer 1 "GND_L02_P002" (solid, pour order 2): 24.892,127.254 25.146,127 177.927,127 177.927,25.273 25.273,25.273
+5 on Bottom Layer "+5_L04_P003" (solid, remove dead copper, pour order 3): 25.273,127 25.4,126.873 25.4,25.4 177.419,25.4 177.673,25.146 177.673,127.127
+3.3 on Layer 2 "+3.3_L03_P004" (solid, pour order 4): 25.019,127.381 177.546,127.381 177.8,127.127 177.8,25.273 25.527,25.273 25.4,25.4

## Text inside footprints (layer, text, board x,y; h text height)
J1: Mechanical 2 "PCB Edge" at 89.614,24.098 h1.02
J2: Mechanical 2 "PCB Edge" at 178.975,84.709 h1.02 r90
J3: Top 3D Body "PCB EDGE" at 86.748,126.741 h0.61 r180